# KiCad board SDR_1.2_Base.kicad_pcb (continued)
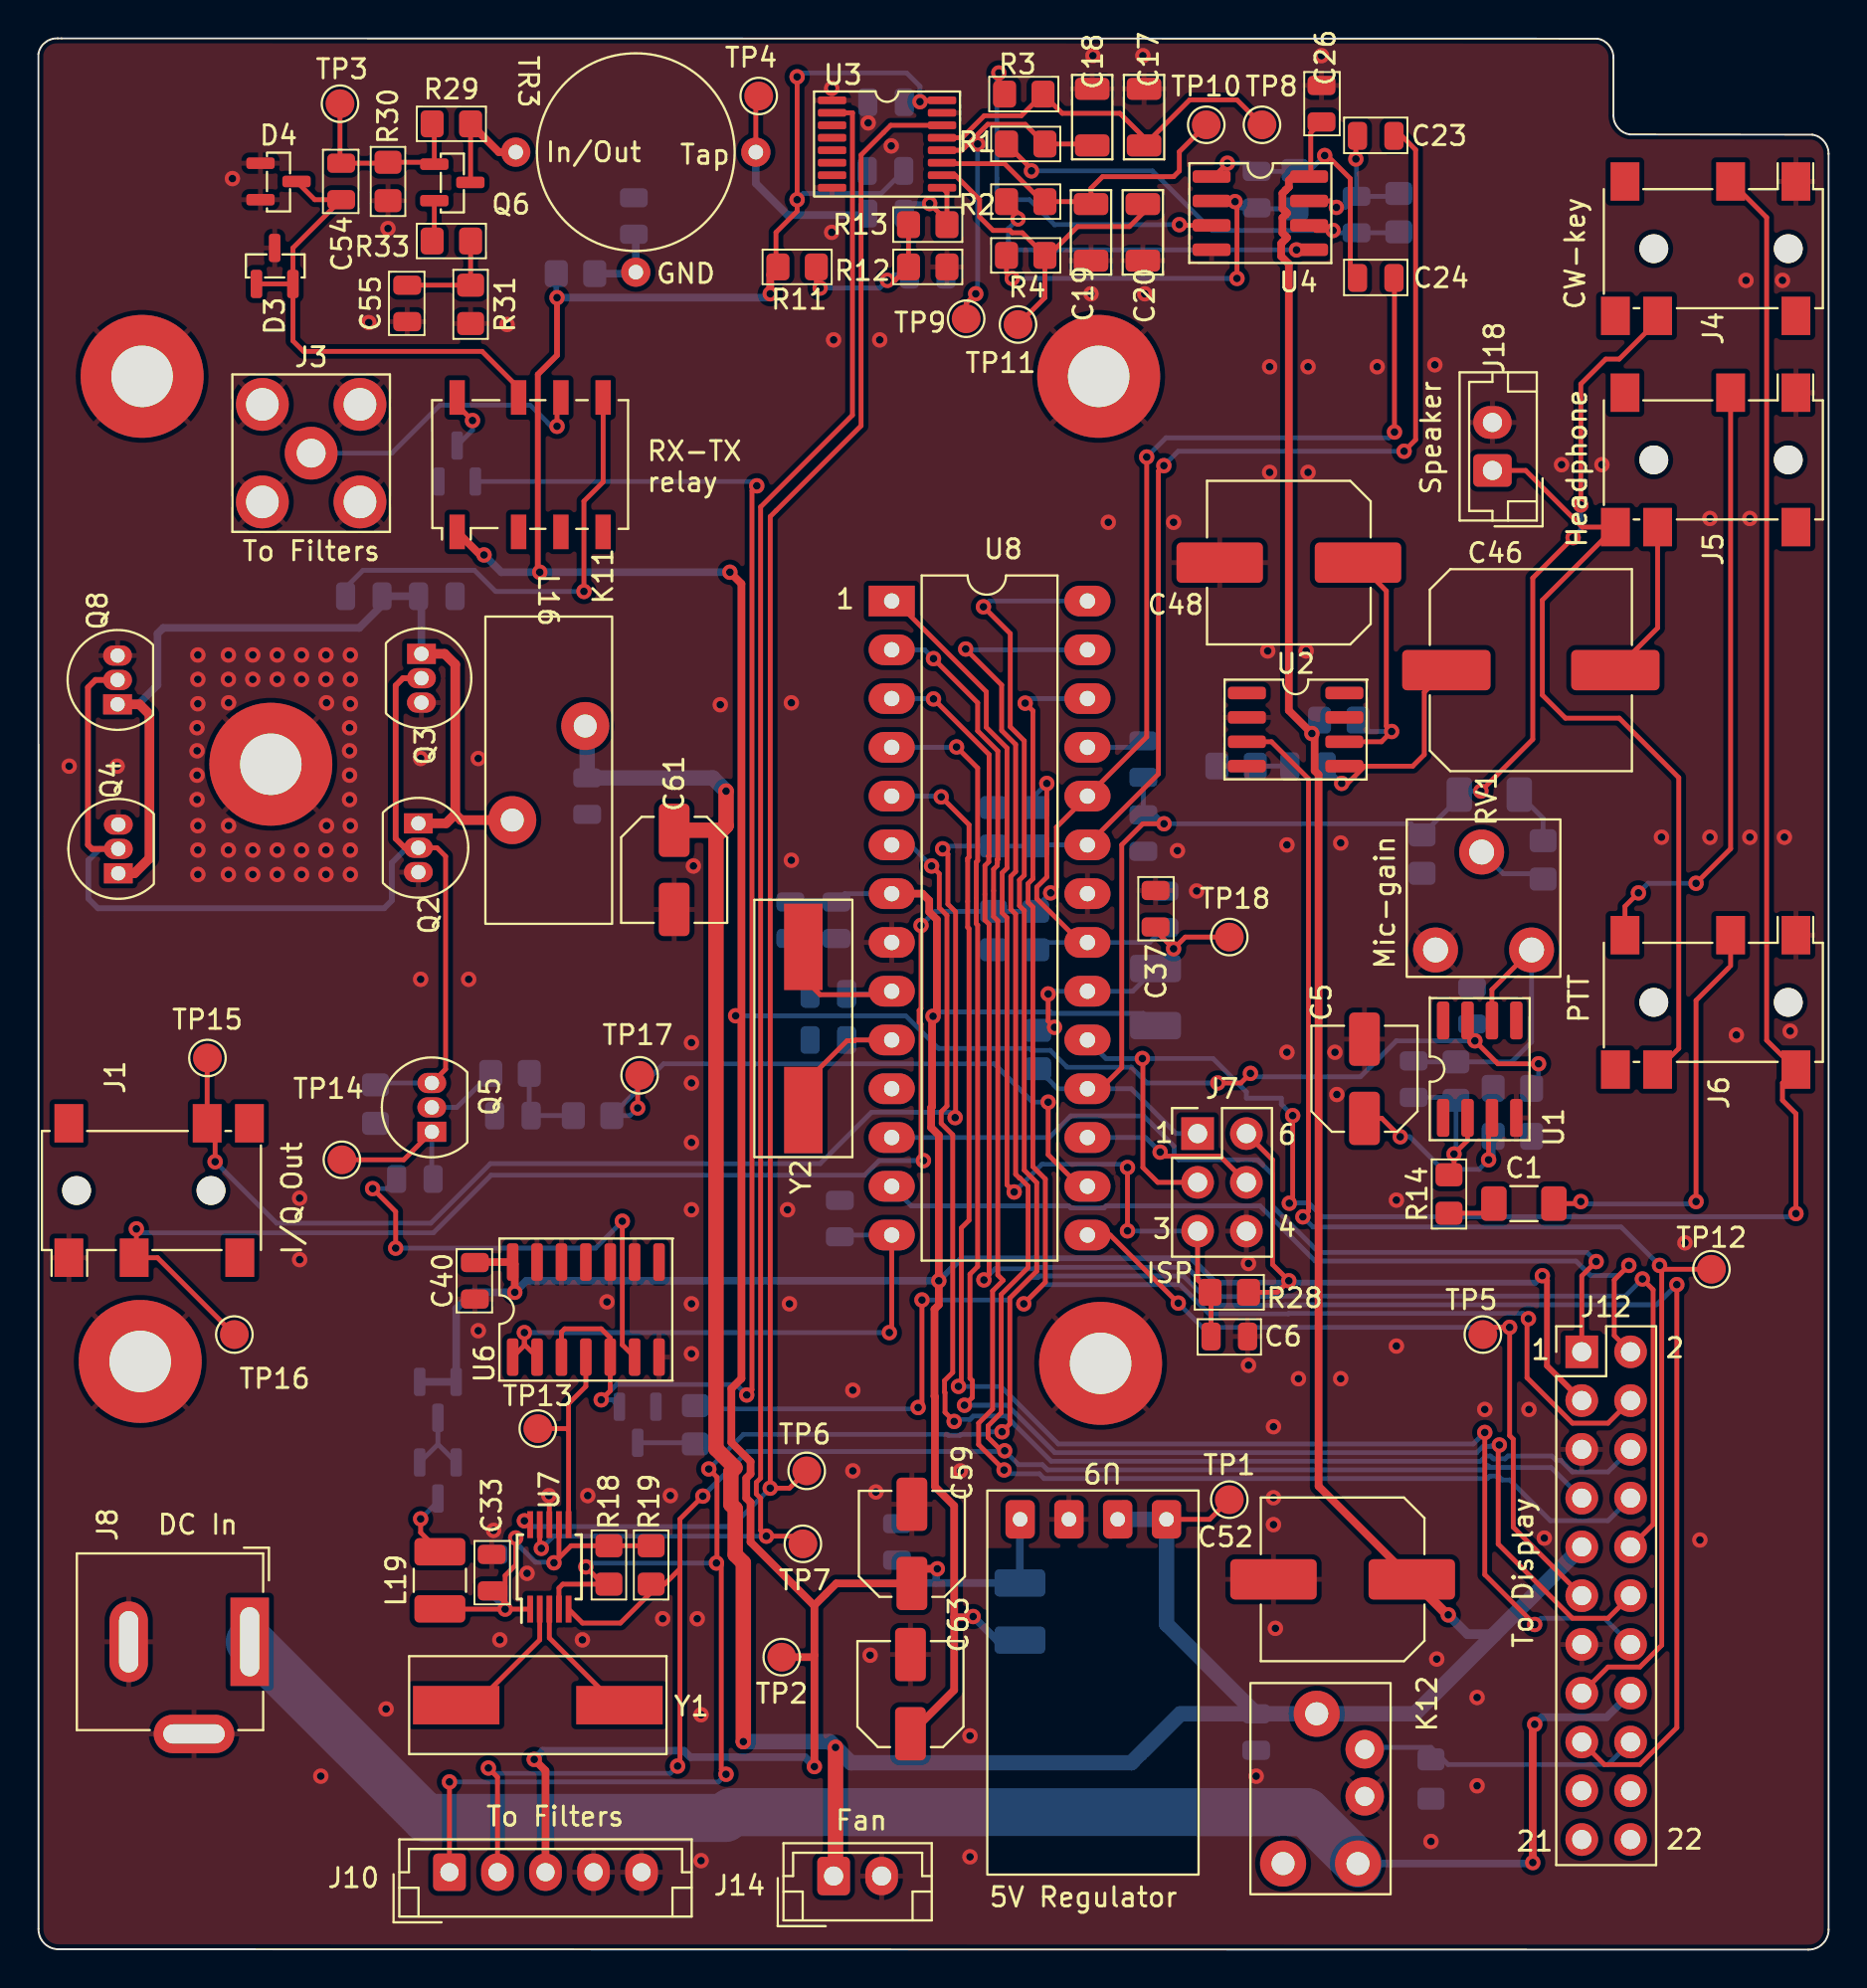
[diagram p0: board, top side]
## Footprints (pads in the part's own frame, mm; a bottom-side part is the same pattern mirrored in y, then rotated) (continued)

## Nets
+5V_DIG: C35.2 C36.2 C40.2 C63.1 D2.1 D2.2 J7.6 J12.3 L17.1 L20.2 R28.1 U6.14 U8.7
GND: C2.1 C5.2 C6.1 C16.1 C17.1 C18.1 C19.1 C20.1 C25.1 C26.1 C27.1 C29.1 C31.1 C33.1 C34.1 C35.1 C36.1 C37.1 C39.1 C40.1 C41.1 C43.2 C48.2 C52.2 C53.1 C55.1 C56.1 C58.1 C59.2 C61.2 C62.1 C63.2 C64.1 C65.2 D3.3 D4.1 D4.2 D13.2 H1.1 H9.1 H10.1 H11.1 H12.1 J1.1 J3.2 J4.1 J5.1 J6.1 J7.4 J8.2 J8.3 J10.4 J10.5 J12.5 J12.13 J14.2 J18.2 K12.6 Q1.2 Q2.3 Q3.3 Q4.3 Q7.2 Q8.3 R8.2 R10.2 R12.2 R15.2 R22.2 R25.1 R26.1 R30.2 R31.2 RV1.3 U1.4 U2.2 U2.4 U3.1 U3.8 U3.15 U4.4 U6.7 U6.9 U6.10 U6.12 U6.13 U7.8 U8.8 U8.22 U9.4
V5: C2.2 C16.2 C29.2 C58.2 C59.1 J10.3 K11.1 L20.1 R11.2 R27.1 R32.2 TP2.1 U1.7 U3.16 U9.2
V12: C26.2 C52.1 C53.2 C61.1 C62.2 J12.9 J14.1 K12.7 L16.1 R24.1 TP1.1 U4.8 U9.1 U9.3
/AUDIO-OUT: J12.11 TP5.1 U8.15
/D4: J12.8 U8.2
/D5: J12.10 U8.3
/D6: J12.12 U8.4
/D7: J12.14 U8.5
/E: J12.6 U8.6
/ENCODER1: J12.1 U8.12
/ENCODER2: J12.2 U8.13
/PTT/DIT: J4.3 J6.2 J7.2 U8.19
/SWITCH-PACK: J12.4 U8.26
AREF: C25.2 R7.1 R9.1 U8.21
DAH/MI: C4.2 C42.1 C43.1 J4.4 J7.1 R20.1 R25.2 U8.18
LEDTX: J12.17 R41.2
MICRO_IN: C1.2 J6.3
PS1: J8.1 J12.16 K12.12
PS2: D13.1 J12.18 K12.1
RX: C41.2 U6.1 U6.2 U8.14
SCL: J10.1 R18.2 U7.4 U8.28
SDA: J10.2 J12.7 R19.2 U7.5 U8.27
Net-(C1-Pad1): C1.1 R14.1
Net-(C3-Pad1): C3.1 R21.1 RV1.1 U1.6
Net-(C3-Pad2): C3.2 R14.2 R21.2 U1.2
Net-(C4-Pad1): C4.1 R23.2
Net-(C5-Pad1): C5.1 R26.2 R27.2 U1.3
Net-(C6-Pad2): C6.2 J7.3 R28.2 U8.1
Net-(C17-Pad2): C17.2 R3.1 TP8.1 U3.13
Net-(C18-Pad2): C18.2 R1.1 TP9.1 U3.12
Net-(C19-Pad2): C19.2 R2.1 TP10.1 U3.11
Net-(C20-Pad2): C20.2 R4.1 TP11.1 U3.10
Net-(C21-Pad1): C21.1 R1.2 R5.1 U4.6
Net-(C21-Pad2): C21.2 C23.1 R5.2 U4.7
Net-(C22-Pad1): C22.1 C24.1 R6.1 U4.1
Net-(C22-Pad2): C22.2 R4.2 R6.2 U4.2
Net-(C23-Pad2): C23.2 J1.4 R9.2 R10.1 TP15.1 U8.23
Net-(C24-Pad2): C24.2 J1.3 R7.2 R8.1 TP16.1 U8.24
Net-(C27-Pad2): C27.2 R11.1 R12.1 R13.2
Net-(C28-Pad1): C28.1 TP4.1 TR3.2
Net-(C28-Pad2): C28.2 R13.1 U3.9
Net-(C30-Pad1): C30.1 C31.2 L16.2 Q2.1 Q3.1 Q4.1 Q8.1
Net-(C30-Pad2): C30.2 K11.5
Net-(C33-Pad2): C33.2 C34.2 L19.1 R18.1 R19.1 U7.1 U7.7
Net-(C37-Pad2): C37.2 L17.2 R20.2 TP18.1 U8.20
Net-(C38-Pad1): C38.1 Q5.1 TP14.1
Net-(C38-Pad2): C38.2 U6.6
Net-(C39-Pad2): C39.2 R16.1 R17.2
Net-(C42-Pad2): C42.2 U8.25
Net-(C46-Pad1): C46.1 C47.2 U2.5
Net-(C46-Pad2): C46.2 J5.4
Net-(C47-Pad1): C47.1 R22.1
Net-(C48-Pad1): C48.1 R24.2 U2.6
Net-(C54-Pad1): C54.1 D3.1 D3.2 D4.3 K11.7
Net-(C54-Pad2): C54.2 Q6.1 R29.2 R30.1 TP3.1
Net-(C55-Pad2): C55.2 R31.1 R33.2
Net-(C56-Pad2): C56.2 R32.1 TR3.1
Net-(C64-Pad2): C64.2 U8.10 Y2.1
Net-(C65-Pad1): C65.1 U8.9 Y2.2
Net-(D1-Pad1): D1.1 D1.2 D2.3
Net-(D1-Pad3): D1.3 L19.2
Net-(J3-Pad1): J3.1 K11.6
Net-(J5-Pad3): J5.3 J6.6
Net-(J7-Pad5): J7.5 U8.17
Net-(J12-Pad15): J12.15 TP12.1 U2.3
Net-(J18-Pad1): J5.5 J6.4 J18.1
Net-(K11-Pad8): K11.8 Q1.3
Net-(Q1-Pad1): Q1.1 Q7.1 U6.3 U6.5
Net-(Q2-Pad2): Q2.2 Q3.2 Q4.2 Q5.3 Q8.2 R15.1
Net-(Q5-Pad2): Q5.2 R16.2
Net-(Q6-Pad2): Q6.2 R33.1
Net-(Q6-Pad3): Q6.3 R29.1 TR3.3
Net-(Q7-Pad3): Q7.3 R41.1
Net-(R2-Pad2): R2.2 U4.5
Net-(R3-Pad2): R3.2 U4.3
Net-(R17-Pad1): R17.1 TP17.1 U8.16
Net-(R23-Pad1): R23.1 RV1.2
Net-(TP6-Pad1): TP6.1 U3.14 U7.10
Net-(TP7-Pad1): TP7.1 U3.2 U7.9
Net-(TP13-Pad1): TP13.1 U6.4 U7.6
Net-(U7-Pad2): U7.2 Y1.2
Net-(U7-Pad3): U7.3 Y1.1

Pads without a net: J1 2 5 6; J4 2 5 6; J5 2 6; J6 5; J12 19 20 21 22; K11 2 3 4; K12 10; U1 1 5 8; U2 1 7 8; U3 3 4 5 6 7; U6 8 11; U8 11

## Via types
v1: diameter 0.8, hole 0.4, Top to Bottom, 292 vias

## Routing (per net, layer and track width the routed paths; a pad name or vN(x,y) marks a point on that pad's centre or on a via; arc(x,y) is an arc through that point)
+5V_DIG: length 154.7
  Top w0.25: J7.6 64.26,41.13 64.26,35.68 v1(65.1,34.83) 64.5,34.23 R28.1
  Top w0.3: v1(78.3,35.09) 78.54,34.85 78.54,30.4 J12.3
  Top w0.4: v1(24.8,34.23) 24.8,35.7 U6.14 22.75,35.81 C40.2 ; 47.68,17.31 47.68,23.11 46.68,24.11 46.68,28.79 46.65,28.81 46.65,33.35 46.88,33.58 v1(46.88,34.83) 46.88,42.41 46.48,42.81 46.48,43.85 46.53,43.9 46.53,48.55 v1(46.58,48.6) 46.78,48.8 46.78,53.64 46.38,54.04 46.38,54.64 46.02,54.99 U8.7 ; 47.68,17.31 47.68,13.52 C63.1 ; 47.68,17.31 48.62,17.31
  Top w0.5: 48.62,17.31 v1(48.66,17.35)
  Bottom w0.25: v1(46.58,48.6) 46.8,48.83 52.68,48.83 52.75,48.76 57.52,48.76 L17.1 ; U8.7 41.98,54.99 C36.2 C35.2
  Bottom w0.3: v1(78.3,35.09) 77.93,34.73 61.3,34.73 60.03,36 48.05,36 v1(46.88,34.83)
  Bottom w0.4: L20.2 49.89,16.12 v1(48.66,17.35) ; D2.1 D2.2 21.75,33.38 22.6,34.23 v1(24.8,34.23) 25.4,34.83 v1(46.88,34.83)
GND: length 1.5
  Top w0.25: v1(26.58,23.64) 26.6,23.62 U7.8
  Bottom w0.25: 62.9,37.41 J7.4
  vias: v1(1.6,61.63) v1(4.1,61.63) v1(8.3,67.42) v1(8.3,66.15) v1(8.3,64.88) v1(8.26,63.63) v1(8.26,62.43) v1(8.26,61.16) v1(8.26,59.89) v1(8.3,58.53) v1(8.3,57.26) v1(8.3,55.99) v1(9.89,67.42) v1(9.89,66.15) v1(9.9,64.93) v1(9.9,58.53) v1(9.89,57.26) v1(9.89,55.99) v1(10.1,92.23) v1(11.16,67.42) v1(11.16,66.15) v1(11.16,57.26) v1(11.16,55.99) v1(12.43,67.42) v1(12.43,66.15) v1(12.43,57.26) v1(12.43,55.99) v1(13.6,39.13) v1(13.6,35.93) v1(13.7,67.42) v1(13.7,66.15) v1(13.7,57.26) v1(13.7,55.99) v1(14.7,9.03) v1(14.97,67.42) v1(14.97,66.15) v1(15,64.93) v1(15,58.53) v1(14.97,57.26) v1(14.97,55.99) v1(16.24,67.42) v1(16.24,66.15) v1(16.24,64.88) v1(16.2,63.63) v1(16.2,62.43) v1(16.2,61.16) v1(16.2,59.89) v1(16.24,58.53) v1(16.24,57.26) v1(16.24,55.99) v1(17.2,84.73) v1(18.1,12.53) v1(18.2,89.63) v1(19.9,62.03) v1(19.9,50.53) v1(22.4,50.53) v1(22.9,62.03) v1(22.9,32.23) v1(23.7,21.83) v1(24.02,16.13) v1(24.4,84.63) v1(25.44,19.6) v1(28.32,16.13) v1(28.6,23.64) v1(29.6,33.73) v1(32.5,17.23) v1(32.9,23.64) v1(34,47.23) v1(34,45.13) v1(34,42.03) v1(34,38.53) v1(34,33.63) v1(34,31.03) v1(34.1,56.43) v1(34.3,17.23) v1(34.5,12.23) v1(34.5,4.63) v1(35.5,64.83) v1(39,38.53) v1(39.1,33.63) v1(39.2,64.93) v1(39.2,56.73) v1(41.3,96.93) v1(41.3,89.43) v1(41.4,83.83) v1(42.4,29.13) v1(42.4,24.93) v1(43.2,95.13) v1(43.3,15.33) v1(43.6,23.83) v1(43.8,83.83) v1(44.4,93.93) v1(48,24.93) v1(48.5,11.13) v1(48.5,4.83) v1(54.8,86.23) v1(54.9,98.63) v1(55.7,74.33) v1(57.5,98.63) v1(57.6,86.23) v1(59.1,74.33) v1(59.3,57.23) v1(60.3,55.13) v1(63,35.73) v1(63,30.43) v1(63.4,9.03) v1(64,67.63) v1(64.1,82.43) v1(64.1,76.93) v1(64.3,27.23) v1(64.3,23.53) v1(64.3,22.13) v1(64.4,16.73) v1(65,57.53) v1(65,46.73) v1(65.6,29.73) v1(66,67.63) v1(66.1,82.43) v1(66.1,76.93) v1(66.8,98.63) v1(67.5,46.73) v1(67.6,44.53) v1(67.8,57.63) v1(67.8,29.73) v1(69.7,82.43) v1(70.7,39.03) v1(70.7,31.43) v1(72.5,5.63) v1(72.7,82.53) v1(72.8,15.13) v1(74.9,13.13) v1(74.9,8.53) v1(75.3,28.13) v1(77.6,28.13) v1(78.4,21.43) v1(79.3,77.33) v1(81.4,77.33) v1(84.5,57.93) v1(85.72,36.81) v1(86.5,21.33) v1(87.02,74.53) v1(87.02,57.93) v1(88.4,47.63) v1(88.9,86.93) v1(89.1,74.53) v1(89.1,57.93) v1(90.8,86.93) v1(90.9,57.93) v1(91.2,47.83)
V5: length 224.6
  Top w0.25: 36.6,48.63 v1(36.3,48.63) ; U1.7 74.4,47.71 v1(74.79,47.33) 75.98,46.13 v1(78.1,46.13) ; v1(39.5,97.53) v1(39.5,91.13) 39.5,90.53 38.4,89.43 38.4,87.73 R11.2 ; v1(45.9,96.23) 45.97,96.31 U3.16 ; v1(63.1,45.63) 62.6,45.13 v1(61.4,45.13)
  Top w0.3: v1(26.1,71.73) 26,71.83 26,82.03 27,83.03 v1(27,86.03)
  Top w0.4: v1(36,71.73) 36.6,71.13 36.6,29.74 36.08,29.22 36.08,26.41 37.08,25.41 37.08,24.77 36.85,24.55 36.85,23.51 37.08,23.29 37.08,21.23 40.37,17.93 40.4,17.93 ; v1(46.8,19.83) 46.19,19.83 45.4,19.04 ; 40.4,17.93 40.4,15.33 ; 40.4,17.93 41.54,19.07 C59.1 ; R11.2 38.1,87.23 v1(38.1,86.23) ; 40.4,15.33 v1(40.4,9.53) ; 40.4,15.33 40.3,15.23 TP2.1 ; v1(25.81,9.91) 26.4,9.32 J10.3 ; v1(23.2,72.63) 23,72.63 K11.1
  Bottom w0.25: v1(39.5,91.13) 39.82,91.46 43.87,91.46 C29.2 ; v1(39.5,97.53) 39.7,97.73 45.2,97.73 45.9,97.04 v1(45.9,96.23) 45.11,96.23 C16.2 ; R27.1 78.1,45.21 v1(78.1,46.13) ; v1(63.1,45.63) 63.27,45.46 68.83,45.46 70.7,47.33 v1(74.79,47.33) 74.79,48.05 C2.2 ; v1(61.4,45.13) 57.72,45.13 56.9,45.96 53.55,45.96 52.68,46.83 51.7,46.83 51.6,46.93 46.86,46.93 45.16,48.63 v1(36.3,48.63)
  Bottom w0.3: R32.2 26.96,86.07 v1(27,86.03)
  Bottom w0.4: 46.74,19.09 45.79,19.09 44.62,20.26 ; 46.74,19.09 46.74,19.77 v1(46.8,19.83) ; 46.74,19.09 L20.1 51.1,22.4 U9.2 ; v1(25.81,9.91) 26.26,10.36 33.61,10.36 33.94,10.02 39.91,10.02 v1(40.4,9.53) ; v1(38.1,86.23) 37.9,86.03 v1(27,86.03) ; v1(36,71.73) v1(26.1,71.73) 24.1,71.73 v1(23.2,72.63)
V12: length 224
  Top w0.25: 66.24,92.34 66.24,94.62 C26.2 ; U9.3 60.97,22.41 TP1.1
  Top w0.4: v1(66.3,63.33) 65.1,64.53 65.1,87.79 64.7,88.19 64.7,88.85 64.77,88.91 64.77,88.92 64.93,89.08 64.93,89.09 64.93,89.09 65.01,89.16 64.93,89.23 64.93,89.23 64.93,89.24 64.77,89.4 64.77,90.19 64.93,90.35 64.93,90.36 64.93,90.36 65.01,90.43 64.93,90.5 64.93,90.5 64.93,90.51 64.77,90.67 64.77,91.46 64.93,91.62 64.93,91.63 64.93,91.63 65.1,91.79 65.1,91.79 65.1,92.13 65.3,92.34 66.24,92.34 ; 66.44,63.19 66.44,61.39 66.65,61.19 66.65,24.13 C52.1
  Top w0.5: v1(73.4,17.43) 73.35,17.43 C52.1
  Top w0.8: v1(36.7,10.83) 36.7,20.14 36.28,20.57 36.28,22.96 36.05,23.18 36.05,24.88 36.27,25.09 35.28,26.08 35.28,58.01 35.8,58.53 ; v1(41.5,10.53) 41.5,3.93 J14.1 ; 35.8,58.53 35.56,58.29 C61.1 ; 35.8,58.53 v1(35.8,60.33)
  Bottom w0.4: v1(66.3,63.33) 66.7,63.73 R24.1
  Bottom w0.5: 75.8,16.43 74.4,16.43 v1(73.4,17.43)
  Bottom w0.8: v1(36.7,10.83) 41.2,10.83 v1(41.5,10.53) 42.3,9.73 56.9,9.73 59.45,12.28 C53.2 ; L16.1 28.57,63.62 C62.2 35.11,61.02 v1(35.8,60.33) ; J12.9 71.66,12.28 K12.7 C53.2 ; C53.2 58.73,16.95 U9.3 U9.1
/AUDIO-OUT: length 41.1
  Top w0.25: v1(59.34,33.67) 55.8,37.21 U8.15 ; TP5.1 75.58,32.41 v1(76.59,32.41) 76.59,26.77 76.78,26.58 76.78,22 J12.11
  Bottom w0.25: v1(76.59,32.41) 60.6,32.41 v1(59.34,33.67)
/D4: length 81.7
  Top w0.25: v1(50.27,24.98) 48.95,26.3 48.95,27.42 49.68,28.15 49.68,34.3 50.23,34.85 49.95,35.13 49.95,53.58 49.73,53.8 49.73,56.26 49.92,56.45 49.93,56.59 49.93,56.76 49.94,56.78 49.94,56.8 49.95,56.8 49.95,62.42 48.9,63.47 48.9,64.93 v1(46.6,67.23)
  Bottom w0.25: U8.2 46.14,67.69 v1(46.6,67.23) ; J12.8 81.72,22.34 78.72,22.34 76.6,24.46 76.21,24.46 76.01,24.66 75.57,24.66 75.44,24.53 52.36,24.53 52.11,24.78 50.47,24.78 v1(50.27,24.98)
/D5: length 84.2
  Top w0.25: v1(49.22,34.88) 49.49,35.15 49.49,53.4 49.28,53.61 49.28,56.45 49.48,56.65 49.48,56.95 49.49,56.96 49.49,62.24 v1(46.6,65.13) ; J12.10 84.06,22.15 84.06,34.37 v1(83.51,34.92)
  Bottom w0.25: v1(49.22,34.88) 49.8,35.45 51.85,35.45 51.93,35.53 59.8,35.53 61.32,34.01 64.7,34.01 64.72,34.03 82.61,34.03 v1(83.51,34.92) ; v1(46.6,65.13) 46.58,65.15 U8.3
/D6: length 81.8
  Top w0.25: v1(48.21,28.35) 48.62,28.76 48.62,29.63 48.5,29.76 48.5,35.18 48.9,35.58 48.9,53.36 48.83,53.43 48.83,56.63 48.9,56.71 48.9,61.53 v1(47.8,62.63) ; v1(76.06,26.28) 76,26.22 76,21.12 79.86,17.26 81.72,17.26 J12.12
  Bottom w0.25: v1(47.8,62.63) 47.78,62.61 U8.4 ; v1(76.06,26.28) 76.01,26.23 75.62,26.23 75.6,26.21 75.21,26.21 74.89,25.88 52.91,25.88 50.45,28.35 v1(48.21,28.35)
/D7: length 79.8
  Top w0.25: v1(47.9,29.33) 48.05,29.48 48.05,37.58 48.45,37.98 48.45,53.17 48.38,53.24 48.38,54.59 48.38,56.82 48.45,56.89 48.45,58.58 v1(47,60.03) ; v1(77.9,16.93) 75.3,19.53 v1(75.3,26.93)
  Bottom w0.25: v1(47,60.03) 46.96,60.07 U8.5 ; v1(47.9,29.33) 50.1,29.33 53.1,26.33 74.7,26.33 v1(75.3,26.93) ; v1(77.9,16.93) 78.23,17.26 81.52,17.26 J12.14
/E: length 69.9
  Top w0.25: v1(47.68,27.51) 47.2,27.98 47.2,29.01 47.18,29.03 47.18,29.63 47.6,30.06 47.6,42.43 47,43.03 47,43.63 47.3,43.93 47.3,53.86 46.9,54.26 46.9,56.03 v1(46.5,56.43)
  Bottom w0.25: U8.6 45.4,57.53 v1(46.5,56.43) ; v1(47.68,27.51) 47.78,27.61 48.5,27.61 48.68,27.79 50.37,27.79 52.73,25.43 75.07,25.43 75.35,25.71 75.6,25.71 75.7,25.61 75.71,25.61 75.76,25.56 76.36,25.56 76.51,25.71 78.79,25.71 79.02,25.48 79.26,25.48 79.86,24.88 81.72,24.88 J12.6
/ENCODER1: length 46.5
  Top w0.25: v1(81.1,35.83) 80.35,35.08 J12.1
  Bottom w0.25: U8.12 52.62,42.29 53.75,43.42 57.54,43.42 59.12,41.83 59.12,41.37 59.37,41.13 63.48,41.13 64.26,40.35 64.26,38.71 66.66,36.31 80.62,36.31 v1(81.1,35.83)
/ENCODER2: length 45.8
  Top w0.25: J12.2 82.04,31.98 82.04,34.87 v1(82.8,35.63)
  Bottom w0.25: v1(82.8,35.63) 82.28,35.11 80.8,35.11 80.05,35.86 66.47,35.86 63.6,38.73 55.59,38.73 55.48,38.63 53.75,38.63 53.64,38.73 45.44,38.73 U8.13
/PTT/DIT: length 108.7
  Top w0.25: v1(91.5,38.33) 91.5,43.53 90.8,44.23 90.8,45.13 J6.2 89.98,47.36 89.98,90.21 J4.3 ; v1(57.47,46.41) 57.5,46.38 57.5,40.73 58.27,39.96 J7.2 ; v1(65.12,38.87) 65.3,39.04 v1(65.3,43.43)
  Bottom w0.25: v1(91.5,38.33) 91.34,38.17 66.85,38.17 66.13,38.89 65.14,38.89 v1(65.12,38.87) ; U8.19 55.58,46.41 v1(57.47,46.41) 61.15,46.41 62.89,44.67 62.89,44.34 64.71,44.34 64.71,44.02 v1(65.3,43.43)
/SWITCH-PACK: length 73.1
  Top w0.25: v1(51.3,33.63) 52.42,34.75 52.42,40.13 51.78,40.78 51.78,54.3 51.53,54.55 51.53,55.52 51.78,55.77 51.78,64.51 v1(51.37,64.91) ; v1(77.57,32.86) 77.5,32.79 77.5,29.78 79.86,27.42 81.72,27.42 J12.4
  Bottom w0.25: v1(77.57,32.86) 77.3,33.13 65.1,33.13 65.07,33.11 60.95,33.11 59.43,34.63 52.3,34.63 v1(51.3,33.63) ; U8.26 51.61,65.15 v1(51.37,64.91)
AREF: length 18.5
  Top w0.25: U8.21 54.26,52.45 51.98,54.73 51.98,55.33 52.5,55.86 v1(52.5,60.73)
  Bottom w0.25: R9.1 51.92,60.16 v1(52.5,60.73) ; R7.1 52.3,52.45 U8.21 57.85,52.45 C25.2
DAH/MI: length 76.2
  Top w0.25: J4.4 84.3,84.83 82.3,82.83 81.6,82.83 80.3,81.53 v1(80.3,75.23) ; v1(79.9,73.53) 77.8,71.43 77.8,63.03 v1(75.1,60.33) ; v1(58.6,58.63) 57.5,58.63 56.4,57.53 56.4,45.93 55.3,44.83 U8.18
  Bottom w0.25: C42.1 C43.1 58.13,59.1 v1(58.6,58.63) 71.46,58.63 R25.2 73.97,59.99 C4.2 74.15,60.33 v1(75.1,60.33) ; R20.1 53.06,44.83 U8.18 56.9,44.83 59.23,42.5 J7.1 ; v1(80.3,75.23) 80.3,73.93 v1(79.9,73.53)
LEDTX: length 87.6
  Top w0.25: J12.17 81.52,9.64 83.38,9.64 85.3,11.56 v1(85.3,34.63) ; v1(45.8,28.23) 46,28.43 v1(46,33.83)
  Bottom w0.25: R41.2 34.37,28.16 45.73,28.16 v1(45.8,28.23) ; v1(85.3,34.63) 84.25,33.58 64.91,33.58 64.89,33.56 61.14,33.56 59.61,35.08 52.11,35.08 52.04,35.01 51.65,35.01 50.48,33.83 v1(46,33.83)
MICRO_IN: length 22
  Top w0.25: J6.3 88.1,51.23 ; v1(86.3,38.96) 86.3,49.43 88,51.13 ; C1.2 80.2,38.85 v1(80.3,38.96)
  Bottom w0.25: v1(80.3,38.96) 80.42,38.83 86.18,38.83 v1(86.3,38.96)
PS1: length 84.8
  Top w0.4: v1(77.8,4.53) 77.8,11.63 v1(77.9,11.73)
  Bottom w0.4: J12.16 81.64,12.1 78.27,12.1 v1(77.9,11.73) ; K12.12 77.75,4.48 v1(77.8,4.53)
  Bottom w2.5: K12.12 66.02,7.16 36.05,7.16 35.75,6.86 20.17,6.86 J8.1
PS2: length 14.7
  Bottom w0.25: K12.1 69.15,10.53 72.5,10.53 73.39,9.64 81.72,9.64 J12.18
RX: length 29.9
  Top w0.25: 25.96,30.86 25.3,31.52 v1(25.3,32.13) 25.3,31.47 24.69,30.86 ; v1(44.3,32.13) 44.42,32.26 U8.14
  Bottom w0.25: C41.2 41.81,37.21 U8.14 ; v1(44.3,32.13) v1(25.3,32.13)
SCL: length 114.8
  Top w0.25: v1(50.17,26.97) 50.58,27.37 50.58,33.93 51.97,35.33 51.97,39.94 51.33,40.59 51.33,54.11 51.08,54.36 51.08,55.7 51.33,55.95 51.33,62.95 50.6,63.68 50.6,68.53 v1(49.2,69.93) ; v1(35.8,9.13) 35.55,9.38 35.55,20.18 ; U7.4 27.1,18.83 27.3,19.03 R18.2 29.4,19.03 v1(28.5,19.93) ; v1(35.3,20.13) 35.35,20.18 35.55,20.18 ; v1(21.4,8.73) J10.1 ; 35.55,20.18 35.33,20.4 35.33,24.6 v1(34.9,25.03)
  Bottom w0.25: v1(34.9,25.03) 36.7,26.83 47.33,26.83 47.38,26.78 47.98,26.78 48.03,26.83 49.4,26.83 49.54,26.97 v1(50.17,26.97) ; v1(21.4,8.73) 35.4,8.73 v1(35.8,9.13) ; v1(35.3,20.13) 28.7,20.13 v1(28.5,19.93) ; U8.28 49.5,70.23 v1(49.2,69.93)
SDA: length 136.8
  Top w0.25: J10.2 23.9,8.98 v1(23.43,9.46) ; 33.4,19.83 33.4,9.68 v1(33.28,9.56) ; 33.4,19.83 32.6,19.03 R19.2 31.9,18.61 30.3,17.01 28.32,17.01 U7.5 ; 33.4,19.83 33.4,22.42 v1(34.59,23.62) ; v1(50.31,25.98) 50.13,25.98 49.44,26.67 49.44,27.28 50.13,27.96 50.13,34.12 51.52,35.52 51.52,39.76 51.1,40.18 51.08,40.18 50.88,40.38 50.88,53.92 50.63,54.17 50.63,55.89 50.88,56.14 50.88,62.76 50.15,63.49 50.15,65.86 v1(48.28,67.73)
  Bottom w0.25: U8.27 48.32,67.69 v1(48.28,67.73) ; v1(33.28,9.56) 32.9,9.18 23.7,9.18 v1(23.43,9.46) ; J12.7 78.75,25.11 75.57,25.11 75.52,25.16 75.51,25.16 75.47,25.2 75.26,24.98 52.54,24.98 52.27,25.26 51.03,25.26 v1(50.31,25.98) 50.27,25.94 36.91,25.94 34.59,23.62 v1(34.59,23.62)
Net-(C1-Pad1): length 2.5
  Top w0.25: R14.1 75.27,38.35 C1.1
Net-(C3-Pad1): length 15.9
  Top w0.25: RV1.1 75.67,49.99 U1.6
  Bottom w0.25: RV1.1 77.74,47.27 76.7,46.23 R21.1 71.65,46.23 C3.1
Net-(C3-Pad2): length 8.5
  Top w0.25: R14.2 73.7,40.61 v1(73.7,41.43) 74.4,42.13 U1.2
  Bottom w0.25: C3.2 73.65,44.38 R21.2 73.8,41.53 v1(73.7,41.43)
Net-(C4-Pad1): length 2.9
  Bottom w0.25: R23.2 78.34,58.91 C4.1
Net-(C5-Pad1): length 13.6
  Top w0.25: C5.1 69.94,43.29 v1(70.9,42.33) ; v1(75.5,41.13) 75.5,43.14
  Bottom w0.25: R27.2 R26.2 75.74,41.37 v1(75.5,41.13) 75,40.63 73.1,40.63 71.4,42.33 v1(70.9,42.33)
Net-(C6-Pad2): length 53
  Top w0.25: U8.1 44.62,70.23 49.35,65.51 49.35,63.65 50.43,62.58 50.43,56.33 50.18,56.08 50.18,53.99 50.43,53.74 50.43,39.83 v1(50.8,39.46) ; J7.3 60.35,34.88 R28.2 61.05,34.18 C6.2 ; v1(56.7,40.73) v1(56.7,37.43)
  Bottom w0.25: v1(50.8,39.46) 52.25,40.9 56.53,40.9 v1(56.7,40.73) ; v1(56.7,37.43) 56.71,37.42 J7.3
Net-(C17-Pad2): length 20.5
  Top w0.25: 47.04,94.36 48.09,94.36 49.24,95.51 51.17,95.51 R3.1 53.3,95.63 56.3,95.63 57.56,94.37 C17.2 59.94,96.33 62.4,96.33 TP8.1
Net-(C18-Pad2): length 19
  Top w0.25: 48.2,93.83 48.4,94.03 v1(48.9,94.03) ; 48.2,93.83 48.07,93.71 U3.12 ; 48.2,93.83 49.42,95.06 51.38,95.06 R1.1 54.79,94.03 C18.2 ; v1(48.8,86.23) 48.3,85.73 TP9.1
  Bottom w0.25: v1(48.8,86.23) 48.9,86.33 v1(48.9,94.03)
Net-(C19-Pad2): length 17.4
  Top w0.25: U3.11 47.09,93.01 50.3,93.01 52.28,91.03 R2.1 54.67,91.03 C19.2 54.8,91.73 55.4,92.33 59.1,92.33 59.4,92.63 59.4,93.63 TP10.1
Net-(C20-Pad2): length 18.3
  Top w0.25: U3.10 47.73,92.41 49,91.14 49,90.23 49.7,89.53 50.58,89.53 50.7,89.41 51.22,89.41 R4.1 ; R4.1 52.4,86.03 TP11.1 ; R4.1 52.6,88.23 54.1,89.73 56.8,89.73 57.5,90.43 C20.2
Net-(C21-Pad1): length 23.7
  Top w0.25: v1(67.4,89.53) 66.51,89.53 66.24,89.8 ; v1(51.7,92.63) 51.7,92.73 R1.2
  Bottom w0.25: v1(51.7,92.63) 58,92.63 61.1,89.53 v1(67.4,89.53) 67.52,89.41 70.77,89.41 R5.1
Net-(C21-Pad2): length 8.2
  Top w0.25: 66.24,91.07 67.24,91.07 v1(67.58,90.73) ; C23.1 68.59,94.37 v1(68.59,93.25)
  Bottom w0.25: C21.2 70.67,91.31 R5.2 ; C21.2 68.05,90.73 v1(67.58,90.73) ; C21.2 68.62,93.22 v1(68.59,93.25)
Net-(C22-Pad1): length 13.9
  Top w0.25: 60.99,92.34 61.2,92.34 v1(61.9,93.03) ; C24.1 68.3,87.43 68.3,92.23 67.1,93.43 v1(66.97,93.43)
  Bottom w0.25: v1(61.9,93.03) 63,93.03 C22.1 65.37,92.61 R6.1 66.19,92.66 v1(66.97,93.43)
Net-(C22-Pad2): length 21.6
  Top w0.25: v1(62.4,87.03) 62.4,90.93 v1(62.3,91.03) 61.03,91.03 ; R4.2 50.4,87.33 v1(50.7,87.03)
  Bottom w0.25: v1(62.3,91.03) 62.62,90.71 C22.2 63.47,90.66 R6.2 ; v1(50.7,87.03) v1(62.4,87.03)
Net-(C23-Pad2): length 121.4
  Top w0.25: v1(47.73,43.33) 47.75,43.35 47.75,54.05 47.35,54.45 47.35,57.05 v1(47.08,57.33) ; TP15.1 8.78,46.42 J1.4 9.2,42.62 v1(9.2,41.03) ; v1(58.59,77.28) 58.31,77 58.31,61.23 U8.23 ; v1(71.1,78.03) 71.7,78.63 71.7,93.73 70.97,94.46 C23.2
  Bottom w0.25: v1(58.59,77.28) 59.34,78.03 v1(71.1,78.03) ; v1(47.73,43.33) 47.45,43.61 43.38,43.61 40.7,40.93 23.53,40.93 20.43,37.83 12.4,37.83 v1(9.2,41.03) ; U8.23 51.98,57.53 R9.2 R10.1 47.22,57.47 v1(47.08,57.33)
Net-(C24-Pad2): length 117.2
  Top w0.25: v1(46.08,41.09) 45.95,41.21 45.95,48.21 45.85,48.3 45.85,48.9 45.95,49 v1(45.95,53.34) ; TP16.1 6.2,36.03 J1.3 5.1,36.15 v1(5.1,37.53) ; v1(70.6,79.03) 70.6,87.03 C24.2 ; v1(57.7,77.73) 57.7,63.16 U8.24 53,58.46 53,55.33 v1(52.7,55.03)
  Bottom w0.25: v1(52.7,55.03) 51.92,54.26 R7.2 R8.1 46.68,54.07 v1(45.95,53.34) ; v1(70.6,79.03) 70.3,78.73 58.7,78.73 v1(57.7,77.73) ; v1(46.08,41.09) 43.77,41.09 43.01,40.33 23.56,40.33 20.56,37.33 5.3,37.33 v1(5.1,37.53)
Net-(C27-Pad2): length 9.7
  Top w0.25: R13.2 R12.1 44.6,86.93 v1(44.2,86.93) ; v1(40.7,86.53) 40.5,86.73 R11.1
  Bottom w0.25: v1(40.7,86.53) 43.8,86.53 v1(44.2,86.93) 44.5,87.23 C27.2
Net-(C28-Pad1): length 11.2
  Top w0.25: TP4.1 37.35,96.38 TR3.2
  Bottom w0.4: TR3.2 37.35,91.98 39,90.33 43.1,90.33 C28.1
Net-(C28-Pad2): length 5
  Top w0.25: U3.9 47.3,91.5 R13.1 47.3,90.03 v1(46.4,90.93)
  Bottom w0.25: C28.2 45.6,90.93 v1(46.4,90.93)
Net-(C30-Pad1): length 50.2
  Top w0.5: Q8.1 5.26,64.85 5.78,64.33 5.78,56.83 5,56.05 Q4.1 ; Q2.1 21.22,58.65 21.7,59.13 ; 21.7,59.13 22.01,58.82 L16.2 ; 21.7,59.13 21.7,66.93 21.15,67.48 Q3.1
  Bottom w0.4: Q3.1 19.94,70.33 C31.2 C30.1 17.89,70.02 16.7,68.83 6.5,68.83 6.2,68.53 6.2,65.85 5.2,64.85 Q8.1 5.06,64.85
Net-(C30-Pad2): length 24.2
  Top w0.25: K11.5 29.4,76.43 28.4,75.43 v1(28.4,70.73)
  Bottom w0.25: C30.2 15.99,70.92 16.9,71.83 22.7,71.83 23.8,70.73 v1(28.4,70.73)
Net-(C33-Pad2): length 21
  Top w0.25: U7.7 27.1,20.4 v1(26.84,20.14) 27.73,21.03 R18.1 R19.1 ; v1(24.85,21.44) 24.85,20.03 24.3,19.48 v1(24.3,17.73) ; v1(24.3,17.73) U7.1 ; v1(24.3,17.73) 20.91,17.73 L19.1 ; v1(24.3,17.73) 24.3,18.08 C34.2
  Bottom w0.25: v1(24.85,21.44) 24.85,21.2 25.88,20.17 26.81,20.17 v1(26.84,20.14) ; 23.7,18.43 23.7,18.33 v1(24.3,17.73)
Net-(C37-Pad2): length 15
  Top w0.25: v1(52.57,49.77) 52.57,48.36 v1(52.9,48.03) ; C37.2 58.16,53.06 v1(59.1,52.12) 59.71,52.73 TP18.1
  Bottom w0.25: v1(52.9,48.03) 52.74,47.87 R20.2 ; v1(59.1,52.12) 59.1,52.03 L17.2 56.98,49.91 U8.20 52.71,49.91 v1(52.57,49.77)
Net-(C38-Pad1): length 7.8
  Top w0.25: Q5.1 19.02,41.13 TP14.1
  Bottom w0.25: Q5.1 20.48,40.2 C38.1
Net-(C38-Pad2): length 24.8
  Top w0.25: v1(17.4,39.63) 18.6,38.43 v1(18.6,36.53) ; v1(30.4,37.93) 30.4,31.5 31.04,30.86
  Bottom w0.25: v1(17.4,39.63) 18.15,39.63 C38.2 ; v1(18.6,36.53) 29,36.53 v1(30.4,37.93)
Net-(C39-Pad2): length 4.4
  Bottom w0.25: R16.1 25.55,43.53 C39.2 R17.2
Net-(C42-Pad2): length 3
  Bottom w0.25: C42.2 57.19,62.61 U8.25
Net-(C46-Pad1): length 11
  Top w0.25: C46.1 72.15,65.48 72.15,62.24 71.55,61.63 69.05,61.63 68.16,60.74 v1(67.85,60.74)
  Bottom w0.25: C47.2 67.05,61.54 v1(67.85,60.74)
Net-(C46-Pad2): length 8.4
  Top w0.25: C46.2 84.3,68.83 J5.4
Net-(C47-Pad1): length 1.8
  Bottom w0.25: C47.1 65.14,61.64 R22.1
Net-(C48-Pad1): length 13.1
  Top w0.25: 69.05,62.9 69.92,62.9 v1(70.45,63.44) 70.18,63.71 70.18,70.75 C48.1
  Bottom w0.25: R24.2 69.29,63.44 v1(70.45,63.44)
Net-(C54-Pad1): length 26.3
  Top w0.25: D3.2 13.25,88.62 C54.1 14.39,91.13 D4.3 ; D3.2 13.25,83.78 13.8,83.23 23.1,83.23 25,81.33 K11.7 ; D3.2 D3.1
Net-(C54-Pad2): length 10.2
  Top w0.25: R29.2 20.61,94.97 Q6.1 20.51,93.08 R30.1 18.15,93.03 15.76,93.03 15.7,93.09 TP3.1
Net-(C55-Pad2): length 5.6
  Top w0.25: C55.2 R31.1 R33.2
Net-(C56-Pad2): length 4.2
  Bottom w0.4: R32.1 31.02,87.28 TR3.1 31.1,89.23 C56.2
Net-(C64-Pad2): length 9.2
  Top w0.25: U8.10 42.54,47.37 42.5,47.33 42.1,47.33 39.82,45.06 Y2.1
  Bottom w0.25: C64.2 U8.10
Net-(C65-Pad1): length 9.1
  Top w0.25: U8.9 44.24,49.73 40.7,49.73 40.1,50.33 40.1,51.95 Y2.2
  Bottom w0.25: U8.9 44.28,49.77 C65.1
Net-(D1-Pad1): length 4.1
  Bottom w0.25: 20.8,26.32 D1.1 ; 20.8,26.32 D2.3 ; 20.8,26.32 D1.2
Net-(D1-Pad3): length 3.6
  Top w0.25: L19.2 19.9,21.72 v1(19.9,22.43)
  Bottom w0.25: v1(19.9,22.43) 20.8,23.33 D1.3
Net-(J3-Pad1): length 15.9
  Top w0.25: K11.6 27,80.63 v1(27,79.33)
  Bottom w0.25: v1(27,79.33) 26.7,79.33 25.6,80.43 20.9,80.43 18.4,77.93 J3.1
Net-(J5-Pad3): length 32
  Top w0.25: v1(83.3,55.03) 82.6,54.33 J6.6 ; v1(86.3,55.53) 88.1,57.33 J5.3
  Bottom w0.25: v1(83.3,55.03) 83.8,55.53 v1(86.3,55.53)
Net-(J7-Pad5): length 9.3
  Top w0.25: v1(58.4,41.53) 58.4,41.43 58.51,41.32 61.52,41.32 J7.5
  Bottom w0.25: U8.17 57.64,42.29 v1(58.4,41.53)
Net-(J12-Pad15): length 74.4
  Top w0.25: v1(65.83,38.16) 66.12,38.46 66.12,60.97 64.2,62.9 U2.3 ; J12.15 81.72,14.72 83.38,14.72 84.51,15.85 84.51,35.52 v1(84.4,35.63) 84.6,35.43 TP12.1
  Bottom w0.25: v1(65.83,38.16) 66.36,37.63 82.4,37.63 v1(84.4,35.63)
Net-(J18-Pad1): length 42.5
  Top w0.25: J18.1 77.42,77.03 80.37,74.08 J5.5 78.3,70.28 78.3,65.33 79.5,64.13 82.3,64.13 85.4,61.03 85.4,46.93 J6.4
Net-(K11-Pad8): length 3.2
  Top w0.25: v1(22.6,79.63) 21.8,80.43 K11.8
  Bottom w0.25: Q1.3 22.6,79.13 v1(22.6,79.63)
Net-(Q1-Pad1): length 79.1
  Top w0.25: 27.23,30.86 27.23,32.16 27.4,32.33 29.3,32.33 29.77,31.86 29.77,29.1 v1(29.3,28.63) ; v1(36.88,28.88) 37.15,29.16 37.15,75.98 v1(37.4,76.23)
  Bottom w0.25: Q1.1 37.17,76.46 v1(37.4,76.23) ; v1(36.88,28.88) 36.33,29.43 30.1,29.43 v1(29.3,28.63) 29.89,28.63 Q7.1
Net-(Q2-Pad2): length 64.1
  Top w0.25: Q5.3 21.2,45.85 21.2,56.93 20.75,57.38 Q2.2
  Top w0.3: Q2.2 19.08,57.38 18.6,57.86 18.6,65.83 18.98,66.21 Q3.2 ; Q4.2 2.79,57.32 2.58,57.53 2.58,65.73 2.97,66.12 Q8.2
  Bottom w0.25: Q5.3 17.65,45.13 R15.1
  Bottom w0.3: Q2.2 19.18,57.38 18.4,56.6 18.4,54.63 18,54.23 3.1,54.23 2.6,54.73 2.6,56.73 3.19,57.32 Q4.2 2.77,57.32
Net-(Q5-Pad2): length 3.8
  Bottom w0.25: R16.2 21.78,43.86 Q5.2
Net-(Q6-Pad2): length 2.1
  Top w0.25: Q6.2 20.61,89.09 R33.1
Net-(Q6-Pad3): length 6
  Top w0.25: R29.1 22.5,92.04 Q6.3
  Top w0.4: TR3.3 23.97,93.61 R29.1
Net-(Q7-Pad3): length 3
  Bottom w0.25: R41.1 34.14,26.39 Q7.3
Net-(R2-Pad2): length 18.5
  Top w0.25: R2.2 51,90.43 v1(51,90.13) ; 66.24,88.53 65.51,88.53 v1(65.5,88.52)
  Bottom w0.25: v1(51,90.13) 50.5,89.63 50.5,88.93 50.91,88.52 v1(65.5,88.52)
Net-(R3-Pad2): length 19.3
  Top w0.25: R3.2 50,96.93 v1(50,97.73) ; v1(59.4,89.83) 59.43,89.8 60.99,89.8
  Bottom w0.25: v1(59.4,89.83) 52.9,89.83 51.6,91.13 50.3,91.13 49.9,91.53 49.9,97.63 v1(50,97.73)
Net-(R17-Pad1): length 33.4
  Top w0.25: U8.16 54.21,39.75 52.57,41.4 v1(52.57,44.13) ; TP17.1 31.2,45.43 v1(31.2,43.83)
  Bottom w0.25: v1(31.2,43.83) 30.8,43.43 R17.1 32.55,46.13 49.76,46.13 51.76,44.13 v1(52.57,44.13)
Net-(R23-Pad1): length 3.8
  Bottom w0.25: R23.1 78.06,56.03 76.26,56.03 RV1.2
Net-(TP6-Pad1): length 92.7
  Top w0.25: TP6.1 39.1,24.03 v1(38.1,24.03) 38.1,74.63 42.83,79.36 42.83,93.46 44.37,95.01 U3.14 ; v1(25.3,22.33) 25.4,22.33 U7.10
  Bottom w0.25: v1(38.1,24.03) 36.1,22.03 25.6,22.03 v1(25.3,22.33)
Net-(TP7-Pad1): length 92.8
  Top w0.25: TP7.1 39.4,21.53 v1(37.9,21.53) 37.6,21.83 37.6,23.51 37.38,23.73 37.38,24.33 37.6,24.56 37.6,75.13 42.38,79.91 42.38,95.65 42.37,95.66 U3.2 ; U7.9 26.1,20.98 v1(26.18,20.9)
  Bottom w0.25: v1(37.9,21.53) 26.82,21.53 v1(26.18,20.9)
Net-(TP13-Pad1): length 10.7
  Top w0.25: 28.5,30.86 28.5,29.33 27.6,28.43 27.6,27.03 ; 27.6,27.03 27.5,27.13 TP13.1 ; 27.6,27.03 U7.6
Net-(U7-Pad2): length 7.4
  Top w0.25: Y1.2 22.7,12.73 26.1,16.13 U7.2
Net-(U7-Pad3): length 6.6
  Top w0.25: U7.3 26.6,16.23 30.1,12.73 Y1.1

## Copper pours and planes (outline as drawn; the poured copper is in the pictures)
GND on Top: 95.1,-0.77 -0.5,-0.77 -0.5,100.63 95.1,100.63
GND on Bottom: 95.1,-0.77 -0.5,-0.77 -0.5,100.63 95.1,100.63

## Text on the board
F.Silkscreen: RX-TX / relay | DC In | To Filters | 1 | Fan | 5V Regulator | 3 | ISP | 6 | 4 | 21 | 2 | 22 | I/Q Out | Mic-gain | Speaker | To Display | CW-key | Headphone | PTT
